# Altium PCB Gateway.PcbDoc
Units mm, origin at the board's own origin, x right, y up, seen from the top; angles counter-clockwise.
Board outline 98.93 x 75.82 mm, 2 copper layers (Top Layer, Bottom Layer); 101 components, 90 nets, 454 pads, 127 vias.
Unrouted connection lines stored in the file: 154.
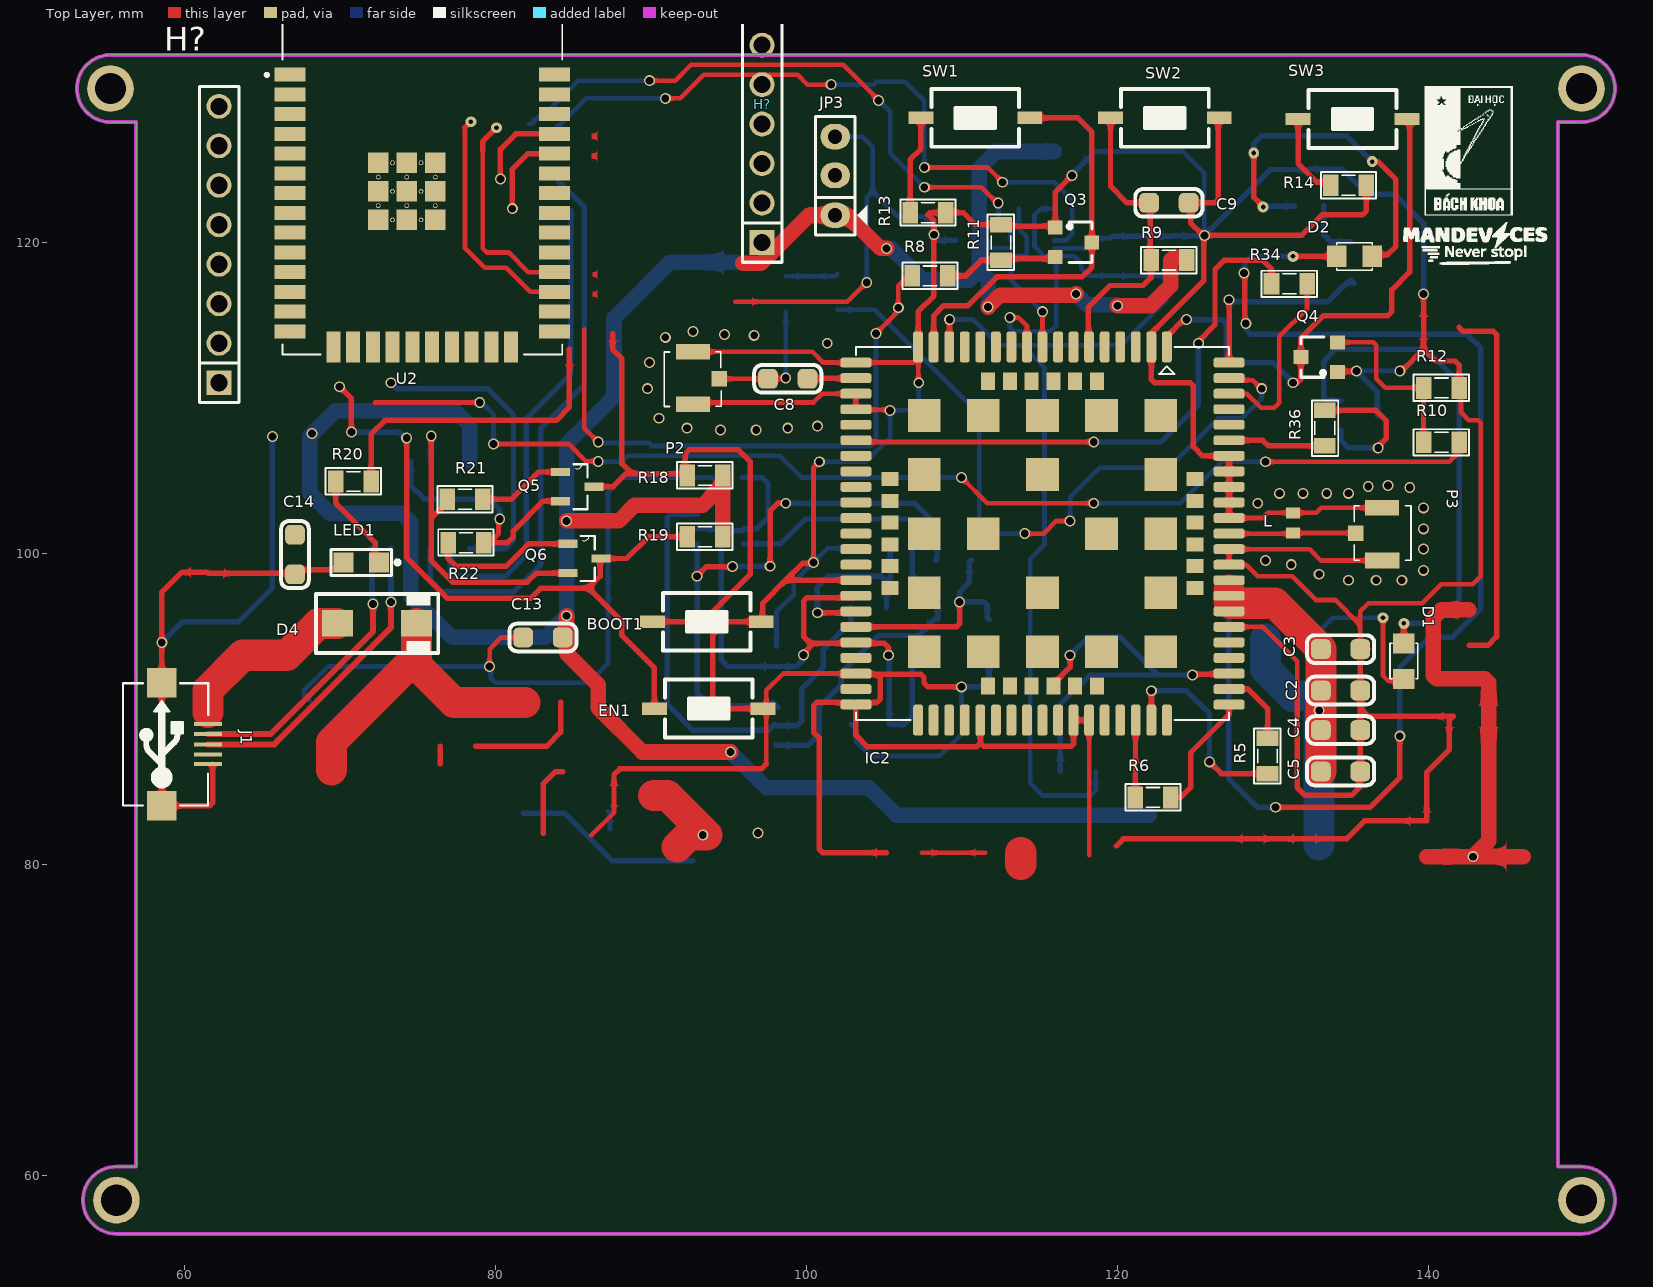
[diagram p0: Top Layer view]
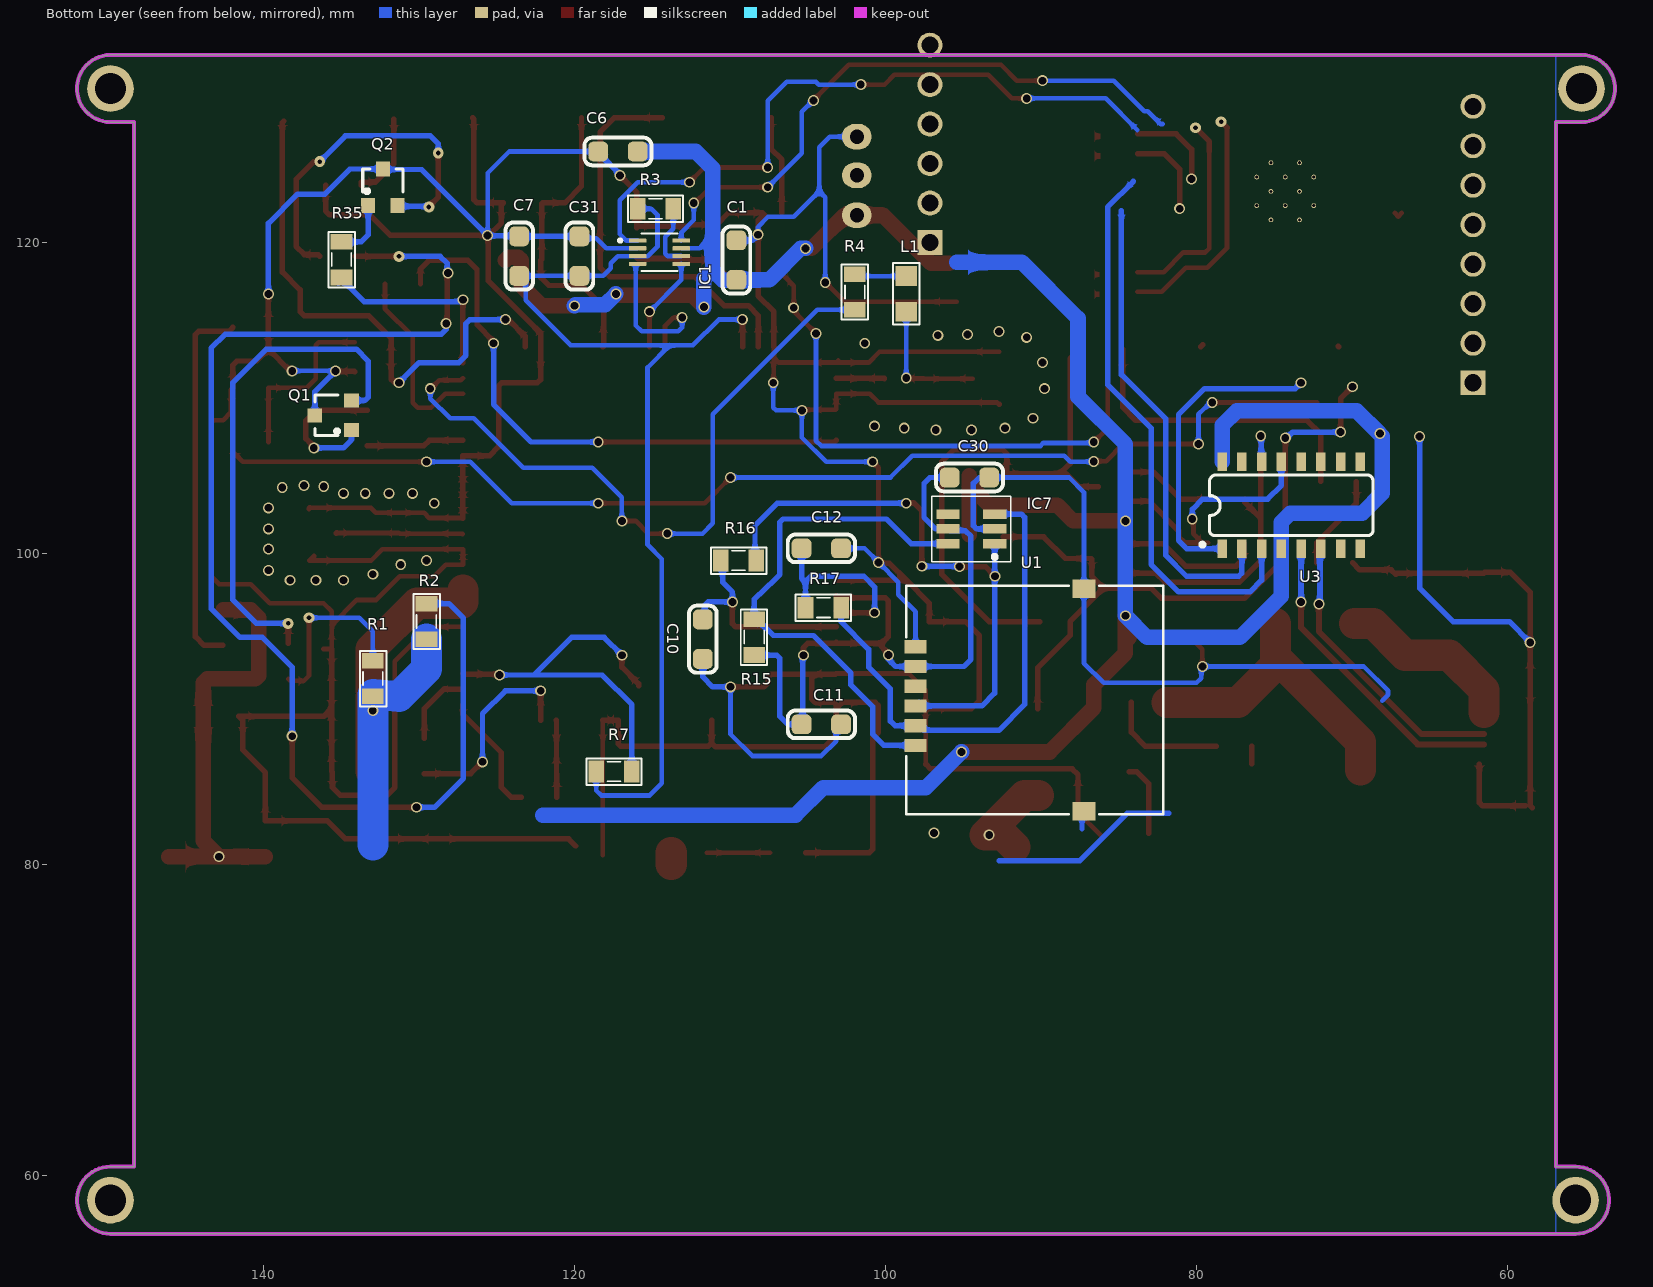
[diagram p1: Bottom Layer view, seen from below]

## Layer stack, top to bottom
Top Solder: solder mask 0.0102, Solder Resist, Dk 3.5
Top Layer: signal copper 0.0356
Dielectric 1: dielectric 0.32, FR-4, Dk 4.8
Bottom Layer: signal copper 0.0356
Bottom Solder: solder mask 0.0102, Solder Resist, Dk 3.5

## Board outline
55.626,56.261 cw(c55.626,58.42) 55.626,60.579 56.896,60.579 56.896,127.762 55.245,127.762 cw(c55.245,129.921) 55.245,132.08 149.86,132.08 cw(c149.86,129.921) 149.86,127.762 148.336,127.762 148.336,60.579 149.86,60.579 cw(c149.86,58.42) 149.86,56.261

## Design rules (kind name [scope] priority, off if disabled: settings)
Clearance [All] p1: gap=0.2 ignorepadtopadclearanceinfootprint=FALSE
DiffPairsRouting [All] p1: maxlimit=0.254 minlimit=0.254 mostfreqgap=0.254 toplayer_minwidth=0.381 toplayer_maxwidth=0.381 toplayer_prefwidth=0.381 bottomlayer_minwidth=0.381 bottomlayer_maxwidth=0.381 bottomlayer_prefwidth=0.381 maxuncoupledlength=12.7
PolygonConnect [All] p1: connectstyle=Direct reliefconductorwidth=0.254 reliefentries=4 polygonreliefangle="90 Angle" airgapwidth=0.254
RoutingVias [All] p1: holewidth=0.3 width=0.7 viastyle="Through Hole" minholewidth=0.3 minwidth=0.7 maxholewidth=0.3 maxwidth=0.7
SolderMaskExpansion [All] p1: expansion=0.102
Width [All] p1: maxlimit=2 minlimit=0.3 preferedwidth=0.35 minimp=50.000000 maximp=50.000000 favimp=50.000000
29 further rules are at their usual default settings.

## Classes and differential pairs
component class 3.4G: C1 C2 C3 C4 C5 C6 C7 C8 C9 C10 C11 C12 C30 C31 D1 D2 IC1 IC2 IC7 L L1 P2 P3 Q1 Q2 Q3 Q4 R1 R2 R3 R4 R5 R6 R7 R8 R9 R10 R11 R12 R13 R14 R15 R16 R17 R34 R35 R36 SW1 SW2 SW3 U1
component class 2.MCU: BOOT1 C13 C14 D4 EN1 H? J1 JP3 LED1 Q5 Q6 R18 R19 R20 R21 R22 U2 U3
component class 1.POWER: AMS1 AMS2 C15 C16 C17 C18 C19 C20 C21 C22 C23 C24 C25 C26 D3 D5 J2 J3 J4 J5 L2 PW1 PW2 R23 R24 R25 R26 R27 R28 R29 U4
differential pair D0: +D0_P -D0_N

## Components (designator, comment, footprint, x,y, rotation, side; value= is the part's Value field where it differs from the comment)
AMS1 "AMS1117-3.3V" SOT223 191.643,24.028 r0 top value="AMS1117-3.3V SOT223"
AMS2 "AMS1117-3.3V" SOT223 172.212,24.028 r0 top value="AMS1117-3.3V SOT223"
BOOT1 "SW" SW-SMD 93.599,95.631 r0 top value="SW chip 2 pin"
C1 "100nF" CAP_0805 109.601,118.887 r270 bottom value=33p
C2 "100nF" CAP_0805 134.366,91.201 r180 top value=33p
C3 "10uF" CAP_0805 134.366,93.868 r180 top value=33p
C4 "100nF" CAP_0805 134.366,88.661 r180 top value=33p
C5 "100uF" CAP_0805 134.366,85.994 r180 top value=33p
C6 "104" CAP_0805 117.221,125.872 r180 bottom value=33p
C7 "104" CAP_0805 123.571,119.141 r270 bottom value=33p
C8 "33pF" CAP_0805 98.806,111.252 r180 top value=33p
C9 "100nF" CAP_0805 123.317,122.57 r180 top value=33p
C10 "22pF" CAP_0805 111.76,94.503 r270 bottom value=33p
C11 "22pF" CAP_0805 104.14,89.027 r180 bottom value=33p
C12 "22pF" CAP_0805 104.14,100.345 r180 bottom value=33p
C13 "100nF" CAP_0805 83.058,94.615 r180 top value=33p
C14 "1uF" CAP_0805 67.112,99.949 r270 top value=33p
C15 "100nF" CAP_0603 118.872,33.807 r180 top value=10nF,0603
C16 "100uF/10V" CAP-ALU-SMD-C 45.085,27.457 r0 top
C17 "220uF/16V" CAP-ALU-SMD-D 98.679,5.486 r90 top value="Cap 470uF/63V"
C18 "100nF" CAP_0603 74.422,25.933 r180 top value=4.7uF,0603
C19 "100uF" CAP_0603 94.234,32.41 r90 top value=10uF,0603
C20 "100uF/10V" CAP-ALU-SMD-C 97.917,32.41 r90 top
C21 "33pF" CAP_0603 183.515,26.695 r90 top value=4.7uF,0603
C22 "100uF/10V" CAP-ALU-SMD-C 163.703,25.552 r0 top value="Cap 470uF/63V"
C23 "100uF/10V" CAP-ALU-SMD-C 154.559,25.552 r0 top value="Cap 470uF/63V"
C24 "100nF" CAP_0805 91.059,21.234 r0 top value=33p
C25 "22pF" CAP_0603 126.069,35.458 r270 top value=10uF
C26 "22pF" CAP_0603 129.371,35.458 r90 top value=10uF
C30 "104" CAP_0805 94.615,104.902 r180 bottom value=33p
C31 "10uF" CAP_0805 119.697,119.141 r270 bottom value=33p
D1 "NET" LED-0805-Blue 138.43,91.948 r90 top value="LED 3 ly Single Colour"
D2 "NET" LED-0805-Blue 134.112,119.126 r0 top value="LED 3 ly Single Colour"
D3 "M7" SMA 100.838,21.488 r270 top value=1N4007
D4 "M7" SMA 72.39,95.52 r0 top value=1N4007
D5 "Diode Zener" SMA 43.561,38.125 r90 top
EN1 "SW" SW-SMD 93.726,90.043 r0 top value="SW chip 2 pin"
H? "Header 8P 2.54 Duc Thang" JP8-D1T 62.23,110.998 r90 top
H? "Header 8P 2.54 Duc Thang" JP8-D1T 97.155,120.015 r90 top
IC1 "TXB0102DCUR" SOP50P310X90-8N 114.554,119.395 r180 bottom
IC2 "SIM A7672S" A7672S 115.19,101.296 r270 top
IC7 "TPD4E001" SOT23-6 94.488,101.6 r0 bottom
J1 "USB-5" USB-M1 61.515,87.744 r90 top
J2 "JP2" KF2-5.08 247.523,24.663 r0 top
J3 "Jumper 3" KF3-5.08 80.899,3.708 r0 top value=J3
J4 "JP2" KF2-5.08 229.489,24.663 r0 top
J5 "Jumper2" CON2 204.216,24.663 r0 top
JP3 "JP 1x3 2.54" JP3 101.854,124.311 r90 top
L "LXES15AAA1-153" INDC1005X45 131.318,101.981 r90 top
L1 "47nH" L-0805 98.679,116.713 r90 bottom value=220uH
L2 "22uH" L-SMD-M-7.3x4.5 210.82,14.503 r0 top value=220uH
LED1 "LED3" LED0805 71.374,99.441 r180 top
P2 "IPX" IPXS 93.983,111.259 r0 top
P3 "IPX" IPXS 135.763,101.296 r180 top
PW1 "3V8" LED-0805-Blue 197.104,27.33 r0 top value=Red
PW2 "3V3" LED-0805-Blue 177.927,25.298 r90 top value=Red
Q1 "3904" SOT23 135.541,108.9 r90 bottom
Q2 "3904" SOT23 132.334,123.571 r180 bottom
Q3 "2SC1815" SOT23 117.19,120.03 r270 top value=C1815
Q4 "2SC1815" SOT23 132.984,112.649 r90 top value=C1815
Q5 "BC817" SOT95P240X97-3N 85.268,104.318 r0 top
Q6 "BC817" SOT95P240X97-3N 85.725,99.695 r0 top
R1 "1K" RES-SMD-0805 132.984,91.964 r90 bottom
R2 "1K" RES-SMD-0805 129.54,95.647 r90 bottom
R3 "1K" RES-SMD-0805 114.808,122.189 r0 bottom
R4 "10R" RES-SMD-0805 101.981,116.84 r270 bottom
R5 "10k" RES-SMD-0805 129.667,86.995 r270 top
R6 "10k" RES-SMD-0805 122.301,84.328 r180 top
R7 "0R" RES-SMD-0805 117.475,85.994 r180 bottom
R8 "4k7" RES-SMD-0805 107.95,117.871 r180 top value="R1/4W - 1K"
R9 "10k" RES-SMD-0805 123.317,118.887 r0 top
R10 "4k7" RES-SMD-0805 140.843,107.169 r0 top value="R1/4W - 1K"
R11 "47k" RES-SMD-0805 112.522,120.03 r270 top value="R1/4W - 1K"
R12 "47k" RES-SMD-0805 140.843,110.666 r180 top value="R1/4W - 1K"
R13 "10k" RES-SMD-0805 107.823,121.935 r180 top value="R1/4W - 1K"
R14 "10k" RES-SMD-0805 134.874,123.698 r180 top value="R1/4W - 1K"
R15 "22R" RES-SMD-0805 108.458,94.63 r270 bottom
R16 "22R" RES-SMD-0805 109.459,99.568 r180 bottom
R17 "22R" RES-SMD-0805 104.013,96.535 r180 bottom
R18 "10k" RES-SMD-0805 93.472,105.029 r180 top
R19 "10k" RES-SMD-0805 93.472,101.092 r180 top
R20 "1k" RES-SMD-0805 70.866,104.648 r180 top
R21 "10k" RES-SMD-0805 78.048,103.505 r0 top
R22 "10k" RES-SMD-0805 78.105,100.711 r180 top
R23 "1K" RES-SMD-0805 68.58,23.901 r90 top value=1k
R24 "1K" RES-SMD-0805 103.886,31.648 r180 top value=1k
R25 "10K" RES-SMD-0603 109.982,35.712 r180 top value=10k
R26 "4k7R" RES-SMD-0603 109.982,31.775 r180 top value=3.3k
R27 "1k" RES-SMD-0603 83.82,22.25 r270 top
R28 "30k" RES-SMD-0805 74.168,22.123 r180 top
R29 "100k" RES-SMD-0805 71.755,16.662 r270 top
R34 "0R" RES-SMD-0805 131.064,117.363 r0 top
R35 "330R" RES-SMD-0805 135.001,118.91 r90 bottom
R36 "330R" RES-SMD-0805 133.35,108.077 r90 top
SW1 "SW" SW-SMD 110.871,128.031 r180 top value="SW chip 2 pin"
SW2 "SW" SW-SMD 123.063,128.031 r0 top value="SW chip 2 pin"
SW3 "SW" SW-SMD 135.128,127.96 r180 top value="SW chip 2 pin"
U1 "SIM-KF016" "SIM_MicroSIM 6P Flip" 92.664,90.589 r270 bottom value="Sim holder"
U2 "ESP32-WROOM-32" MODULE_ESP32-WROOM-32 75.302,125.55 r0 top
U3 "CH340C" SOP-16 73.914,103.124 r180 bottom
U4 "TPS5430" TPS5430-2 238.506,23.647 r90 top

## Footprints (in the part's own frame and the unit in brackets; to place one, negate y for a bottom-side part, rotate by r counter-clockwise, add the part's x,y. Pads: shape width x height; smd on the part's side, far side on the other; paste and mask are expansions set on the pad)
A7672S [mm] "SIMCOM A7672S"
  rrect50% 2x0.635 smd: 1(-12,8) 2(-12,7) 3(-12,6) 4(-12,5) 5(-12,4) 6(-12,3) 7(-12,2) 8(-12,1) 9(-12,0) 10(-12,-1) 11(-12,-2) 12(-12,-3) 13(-12,-4) 14(-12,-5) 15(-12,-6) 16(-12,-7) 17(-12,-8) 35(12,-8) 36(12,-7) 37(12,-6) 38(12,-5) 39(12,-4) 40(12,-3) 41(12,-2) 42(12,-1) 43(12,0) 44(12,1) 45(12,2) 46(12,3) 47(12,4) 48(12,5) 49(12,6) 50(12,7) 51(12,8)
  rrect50% 0.635x2 smd: 18(-8,-12) 19(-7,-12) 20(-6,-12) 21(-5,-12) 22(-4,-12) 23(-3,-12) 24(-2,-12) 25(-1,-12) 26(0,-12) 27(1,-12) 28(2,-12) 29(3,-12) 30(4,-12) 31(5,-12) 32(6,-12) 33(7,-12) 34(8,-12) 52(8,12) 53(7,12) 54(6,12) 55(5,12) 56(4,12) 57(3,12) 58(2,12) 59(1,12) 60(0,12) 61(-1,12) 62(-2,12) 63(-3,12) 64(-4,12) 65(-5,12) 66(-6,12) 67(-7,12) 68(-8,12) 89(-11,-12) 90(-10,-12) 91(-9,-12) 92(9,-12) 93(10,-12) 94(11,-12) 95(11,12) 96(10,12) 97(9,12) 98(-9,12) 99(-10,12) 100(-11,12)
  rect 2.1x2.1 smd: 69(-7.6,7.6) 70(-7.6,3.8) 71(-7.6,0) 72(-7.6,-3.8) 73(-7.6,-7.6) 74(-3.8,-7.6) 75(0,-7.6) 76(3.8,-7.6) 77(7.6,-7.6) 78(7.6,-3.8) 79(7.6,0) 80(7.6,3.8) 81(7.6,7.6) 82(3.8,7.6) 83(0,7.6) 84(-3.8,7.6) 85(-3.8,0) 86(0,-3.8) 87(3.8,0) 88(0,3.8)
  rect 1.1x0.9 smd: 101(-9.8,3.5) 102(-9.8,2.1) 103(-9.8,0.7) 104(-9.8,-0.7) 105(-9.8,-2.1) 106(-9.8,-3.5) 113(9.8,-3.5) 114(9.8,-2.1) 115(9.8,-0.7) 116(9.8,0.7) 117(9.8,2.1) 118(9.8,3.5)
  rect 0.9x1.1 smd: 107(-3.5,-9.8) 108(-2.1,-9.8) 109(-0.7,-9.8) 110(0.7,-9.8) 111(2.1,-9.8) 112(3.5,-9.8) 119(3.5,9.8) 120(2.1,9.8) 121(0.7,9.8) 122(-0.7,9.8) 123(-2.1,9.8) 124(-3.5,9.8)
  silkscreen extent -12,-12 12,12, body extent -12,-12 12,12, height 2.6
CAP-ALU-SMD-C [mm]
  rect 3x0.7 smd: 1(-2.286,0)
  oval 3x0.7 smd: 2(2.286,0)
  silkscreen extent -3.35,-2.65 3.28,2.65, body extent -2.95,-2.65 2.95,2.65, height 5.41
CAP-ALU-SMD-D [mm]
  rect 3x0.7 smd: 1(-2.794,0)
  oval 3x0.7 smd: 2(2.794,0)
  silkscreen extent -4,-3.3 3.93,3.3, body extent -3.5,-3.3 3.5,3.3, height 5.4
CAP_0603 [mm]
  rect 1x0.95 smd mask+0.076: 1(-0.94,0) 2(0.94,0)
  silkscreen extent -1.57,-0.58 1.57,0.58, body extent -0.77,-0.39 0.83,0.41, height 0.9
CAP_0805 [mm]
  rrect50% 1.27x1.27 smd: 1(-1.27,0) 2(1.27,0)
  silkscreen extent -2.16,-0.89 2.16,0.89, body extent -1.01,-0.64 1.01,0.64, height 0.61
CON2 [mil] "CON2"
  rect 75x90 hole 34: 1(0,0)
  oval 75x90 hole 34: 2(100,0)
  silkscreen extent -100,-150 200,140, body extent -68,-70 168,107, height 236
INDC1005X45 [mm]
  rect 0.7x0.9 smd: 1(-0.65,0) 2(0.65,0)
IPXS [mm] "SOT 23 _ 1-3-2"
  rect 1x1 smd: 1(0.415,-0.01)
  rect 2.2x1 smd: 2(-1.273,-1.658) 3(-1.278,1.73)
  silkscreen extent -3.13,-1.79 0.53,1.73, body extent -2.83,-1.49 0.31,1.56, height 1.55
JP3 [mil] "Jumper 3"
  oval 65x75 hole 36: 1(-100,0) 2(1,0) 3(99,0)
  silkscreen extent -150,-81 150,50, body extent -150,-60 150,55, height 355
JP8-D1T [mm] "8 pins, 1 row, straight, gold plating"
  rect 1.6x1.6 hole 1.1: 1(0,0)
  round 1.6 hole 1.1: 2(2.54,0) 3(5.08,0) 4(7.62,0) 5(10.16,0) 6(12.7,0) 7(15.24,0) 8(17.78,0)
  silkscreen extent -1.27,-1.27 19.05,1.27, body extent -1.27,-1.27 19.05,1.27, height 8.54
KF2-5.08 [mm]
  rect 2.5x2.5 hole 1.3: 1(-2.54,0) 2(2.54,0)
  silkscreen extent -4.95,-4.08 4.95,3.43, body extent -5,-4.07 5,3.43, height 10
KF3-5.08 [mm]
  rect 2.5x2.5 hole 1.3: 1(0,0) 2(5.08,0) 3(10.147,0)
  silkscreen extent -2.54,-3.58 12.7,4.06, body extent -2.42,-3.51 12.58,3.99, height 10
L-0805 [mil] "Compoment SMD 80x50mil"
  rect 50x55 smd: 1(-45,0) 2(45,0)
  silkscreen extent -77,-34 78,33, body extent -50,-20 50,20, height 43
L-SMD-M-7.3x4.5 [mm] "WE-PDA SMD Shielded Power Inductor, 7345"
  rect 1.7x2 smd: 1(0,3) 2(0,-3)
  silkscreen extent -3.65,-3.65 3.65,3.65, body extent -3.65,-3.65 3.65,3.65, height 4.05
LED0805 [mil] "Chip Resistor; Body 2.0 x 1.3 mm (LxW typ)"
  rect 50x50 smd: 1(-45,0) 2(45,0)
  silkscreen extent -97,-33 77,33, body extent -60,-25 60,25, height 47
LED-0805-Blue [mil]
  rect 50x55 smd: 1(0,0) 2(90,0)
  silkscreen extent 0,-35 90,35, body extent 5,-25 85,25, height 43
MODULE_ESP32-WROOM-32 [mm]
  rect 2x0.9 smd: 1(-8.5,5.26) 2(-8.5,3.99) 3(-8.5,2.72) 4(-8.5,1.45) 5(-8.5,0.18) 6(-8.5,-1.09) 7(-8.5,-2.36) 8(-8.5,-3.63) 9(-8.5,-4.9) 10(-8.5,-6.17) 11(-8.5,-7.44) 12(-8.5,-8.71) 13(-8.5,-9.98) 14(-8.5,-11.25) 25(8.5,-11.25) 26(8.5,-9.98) 27(8.5,-8.71) 28(8.5,-7.44) 29(8.5,-6.17) 30(8.5,-4.9) 31(8.5,-3.63) 32(8.5,-2.36) 33(8.5,-1.09) 34(8.5,0.18) 35(8.5,1.45) 36(8.5,2.72) 37(8.5,3.99) 38(8.5,5.26)
  rect 0.9x2 smd: 15(-5.715,-12.25) 16(-4.445,-12.25) 17(-3.175,-12.25) 18(-1.905,-12.25) 19(-0.635,-12.25) 20(0.635,-12.25) 21(1.905,-12.25) 22(3.175,-12.25) 23(4.445,-12.25) 24(5.715,-12.25)
  rect 1.33x1.33 smd: 39_1(-2.835,-0.405) 39_2(-1,-0.405) 39_3(0.835,-0.405) 39_4(-2.835,-2.24) 39_5(-1,-2.24) 39_6(0.835,-2.24) 39_7(-2.835,-4.075) 39_8(-1,-4.075) 39_9(0.835,-4.075)
  round 0.3 hole 0.2: 39_10(-1.917,-0.405) 39_11(-0.082,-0.405) 39_12(-2.835,-1.322) 39_13(-1,-1.322) 39_14(0.835,-1.322) 39_15(-1.917,-2.24) 39_16(-0.082,-2.24) 39_17(-2.835,-3.157) 39_18(-1,-3.157) 39_19(0.835,-3.157) 39_20(-1.917,-4.075) 39_21(-0.082,-4.075)
  silkscreen extent -10.1,-12.75 9,12.75, body extent -10.54,-12.75 8.98,12.75, height 3.2
RES-SMD-0603 [mm]
  rect 0.6x0.9 smd: 1(-0.889,0) 2(0.927,0)
  silkscreen extent -1.4,-0.64 1.4,0.64, body extent -0.8,-0.4 0.8,0.4, height 0.43
RES-SMD-0805 [mil]
  rect 39.37x55 smd: 1(-45,0) 2(45,0)
  silkscreen extent -70,-34 70,33, body extent -39,-25 39,25, height 31
"SIM_MicroSIM 6P Flip" [mm]
  rect 0.85x1.4 smd: 1(-2.16,-5.415) 2(0.38,-5.415) 3(2.92,-5.415) 5(-3.43,-5.415) 6(-0.89,-5.415) 7(1.65,-5.415)
  rect 1.2x1.5 smd: 8(-7.15,5.415) 8(7.15,5.415)
  Top Layer pour cut-out: 3.683,-2.79 -4.293,-2.79 -4.293,1.96 3.683,1.96
  Top Layer pour cut-out: 3.683,8.788 -4.293,8.788 -4.293,4.039 3.683,4.039
  silkscreen extent -7.35,-6.02 7.35,10.52, body extent -7.61,-5.89 7.59,10.41, height 1.7
SMA [mm]
  rect 2x1.7 smd: 1(-2.544,0) 2(2.544,0)
  silkscreen extent -3.94,-1.9 3.94,1.91, body extent -2.87,-1.4 2.87,1.4, height 2.29
SOP50P310X90-8N [mm]
  rrect25% 1.12x0.27 smd: 1(-1.405,0.75) 2(-1.405,0.25) 3(-1.405,-0.25) 4(-1.405,-0.75) 5(1.405,-0.75) 6(1.405,-0.25) 7(1.405,0.25) 8(1.405,0.75)
  silkscreen extent -2.62,-1.2 1.15,1.2
SOP-16 [mm]
  rect 0.6x1.2 smd: 1(-4.445,-2.8) 2(-3.175,-2.8) 3(-1.905,-2.8) 4(-0.635,-2.8) 5(0.635,-2.8) 6(1.905,-2.8) 7(3.175,-2.8) 8(4.445,-2.8) 9(4.445,2.8) 10(3.175,2.8) 11(1.905,2.8) 12(0.635,2.8) 13(-0.635,2.8) 14(-1.905,2.8) 15(-3.175,2.8) 16(-4.445,2.8)
  silkscreen extent -5.84,-2.67 5.26,1.95, body extent -4.95,-3.47 4.95,3.47, height 1.75
SOT23 [mm] "SOT-23; 3 Leads; Body 3.1 x 2.5 mm, inc. leads (LxW max), Alternate Lead Configuration"
  rect 0.9x0.95 smd: 1(-0.95,-1.175) 2(0,1.175) 3(0.95,-1.175)
  silkscreen extent -1.3,-0.38 1.3,1.18
SOT23-6 [mm] "SOT23, 5-Leads, Body 3.0x3.0mm (max), Pitch 0.95mm, IPC Medium Density"
  rect 1.5x0.6 smd: 1(-1.5,0.95) 2(-1.5,0) 3(-1.5,-0.95) 4(1.5,-0.95) 5(1.5,0) 6(1.5,0.95)
  silkscreen extent -2.54,-2.11 2.54,2.11, body extent -1.75,-1.52 1.75,1.53, height 1.45
SOT95P240X97-3N [mil]
  rect 48x21 smd: 1(-42,37) 2(-42,-37) 3(42,0)
  silkscreen extent -9,-57 26,57
SOT223 [mm] "SOT-223/SC-73; 4 Leads; Body 6.7 x 7.3 mm, inc. leads (LxW max)"
  rect 1.1x2.15 smd: 1(-2.3,-3.1) 2(0,-3.1) 3(2.3,-3.1)
  rect 3.5x2.15 smd: 4(0,3.1)
  silkscreen extent -3.35,-1.63 3.35,1.63, body extent -3.43,-1.65 3.43,1.65, height 2.54
SW-SMD [mm] "Switch SMD type"
  rect 1.6x0.8 smd: 1(-3.5,0) 2(3.5,0)
  silkscreen extent -2.82,-1.85 2.82,1.85, body extent -3.05,-1.85 3.05,1.85, height 2.5
TPS5430-2 [mm]
  rect 2.2x0.508 smd: 1(-2.875,1.905) 2(-2.875,0.635) 3(-2.875,-0.635) 4(-2.875,-1.905) 5(2.875,-1.905) 6(2.875,-0.635) 7(2.875,0.635) 8(2.875,1.905)
  rect 2.413x2.54 smd: 9(0,0.229) 9(0,-0.229)
  silkscreen extent -5.46,-2.54 4.44,2.54, body extent -3.33,-2.49 3.33,2.49, height 1.69
USB-M1 [mil]
  rect 10x70 smd: 1(51.18,0) 2(25.59,0) 3(0,0) 4(-25.59,0) 5(-50,0)
  rect 74.8x74.8 smd: 5(-155.51,116.84) 5(155.51,116.84)
  silkscreen extent -155,-1 155,215, body extent -157,5 158,218, height 107

## Part data
AMS1 AMS2: library part "AMS1117 SMD", "Dán", Chung_Loai=Dán, Don_Vi=Con, Ma_Hang=MH000596
BOOT1 EN1 SW1 SW2 SW3: library part SW2, "Switch button 2 pin"
C1: library part CapSMD_5, "Capacitor", LatestRevisionDate=17-Jul-2002, LatestRevisionNote="Re-released for DXP Platform.", PackageReference=RAD-0.3, Published=8-Jun-2000, Publisher="Altium Limited"
C2 C3 C4 C5 C6 C7: library part CapSMD_9, "Capacitor", LatestRevisionDate=17-Jul-2002, LatestRevisionNote="Re-released for DXP Platform.", PackageReference=RAD-0.3, Published=8-Jun-2000, Publisher="Altium Limited"
C8 C31: library part CapSMD_1, "Capacitor", LatestRevisionDate=17-Jul-2002, LatestRevisionNote="Re-released for DXP Platform.", PackageReference=RAD-0.3, Published=8-Jun-2000, Publisher="Altium Limited"
C9 C10 C11 C12 C13 C14 C24 C30: library part CapSMD, "Capacitor", LatestRevisionDate=17-Jul-2002, LatestRevisionNote="Re-released for DXP Platform.", PackageReference=RAD-0.3, Published=8-Jun-2000, Publisher="Altium Limited"
C15 C18 C19 C21: library part C, "4.7µF ±10% 35V Ceramic Capacitor X5R 0805 (2012 Metric)", Manufacturer="Samsung Electro-Mechanics", Package=0805, Part Number=CL21A475KLCLQNC, Category=CAPACITOR, User_Description="CAP CER 4.7UF 35V X5R 0805"
C16 C20: library part "Cap Pol", "Polarized Capacitor (Axial)", LatestRevisionDate=17-Jul-2002, LatestRevisionNote="Re-released for DXP Platform.", PackageReference=POLAR0.8, Published=8-Jun-2000, Publisher="Altium Limited"
C17 C22 C23: library part CP3, "Cap 470uF/63V"
C25 C26: library part C, "Cap SMD", Manufacturer="Samsung Electro-Mechanics", Package=0805, Part Number=CL21A106KPFNNNG, Category=CAPACITOR, User_Description="CAP CER 10UF 10V X5R 0805"
D1 D2: library part LED_2, "LED Single colour Green and Red"
D3 D4: library part D1A, "Diode 1A"
D5: "Zener Diode", LatestRevisionDate=17-Jul-2002, LatestRevisionNote="Re-released for DXP Platform.", PackageReference=DIODE-0.7, Published=8-Jun-2000, Publisher="Altium Limited"
H? H?: "C?m", Chung_Loai=C?m, Don_Vi=Con, Ma_Hang=MH003366, Ten_Linh_Kien="Header 8P XH2.54-8P Ð?c Th?ng"
IC1: "IC TRNSLTR BIDIRECTIONAL US8", Manufacturer="Texas Instruments", Package=8-VSSOP, Category="IC Logic Level", Part Number=TXB0102DCUR, User_Description="IC TRNSLTR BIDIRECTIONAL US8"
IC2: "SIM A7672S-CAT-M1", Part Number="SIM A7672S"
IC7: library part TPD4E001_1, Manufacturer="Texas Instruments", Package=SOT-363, Part Number=TPD4E001RDBVR, Category="Circuit Protection", User_Description="TVS DIODE 5.5VWM SC70-6"
J1: Manufacturer=FCI, Manufacturer Part Number=10118193-0001LF, Supplier Part Number 1=609-4616-1-ND, .Checked PCB=RF, .Checked SCH=MM, .Creator=MM, Category="Connectors, Interconnects", ComponentLink1Description=http://portal.fciconnect.com/Comergent//fci/drawing/10118193.pdf, ComponentLink1URL=http://portal.fciconnect.com/Comergent//fci/drawing/10118193.pdf, Connector Type="USB - micro B", Features="Shielded, Solder Retention", Gender=Receptacle, Ingress Protection=-, Mounting Type="Surface Mount, Right Angle, Horizontal", Number of Contacts=5, Packaging="Cut Tape (CT)", Pricing 1="1=0.46, 10=0.433, 25=0.3712, 50=0.3156, 100=0.3032, 250=0.27224, 500=0.25988 (USD)", RoHS="RoHS Compliant", Specifications="USB 2.0", Stock 1=28642, Supplier 1=Digi-Key
J2 J4: "WR-PHD 2.54 mm Angled Socket Header", Manufacturer="W¨¹rth Elektronik eiSos GmbH", partNo=613002143121, ComponentLink1 Description=Manufacturer, ComponentLink1URL=http://www.we-online.com, ComponentLink2 Description=Datasheet, ComponentLink2URL=http://katalog.we-online.de/em/datasheet/6130xx143121.pdf, Created by="Karrer Zheng", Created Date="29 March 2013", NoPins=02
J3: library part JP3
J5: library part JP2, "WR-PHD 2.54 mm Angled Socket Header", Manufacturer="W¨¹rth Elektronik eiSos GmbH", partNo=613002143121, ComponentLink1 Description=Manufacturer, ComponentLink1URL=http://www.we-online.com, ComponentLink2 Description=Datasheet, ComponentLink2URL=http://katalog.we-online.de/em/datasheet/6130xx143121.pdf, Created by="Karrer Zheng", Created Date="29 March 2013", NoPins=02
JP3: library part "JP 1x3 2.54 Cai Thang", "C?m", Chung_Loai=C?m, Don_Vi=Con, Ma_Hang=MH004006, Ten_Linh_Kien="Jump Ðon Cái 2.54MM 1x20P Th?ng"
L: "Clamp Ipp Tvs Diode Surface Mount 1005", Package="0402 Murata", Digi-Key_Part_Number=490-13210-1-ND, Digi-Key_Purchase_URL=https://www.digikey.kr/product-detail/en/murata-electronics/LXES15AAA1-153/490-13210-1-ND/5843764?utm_source=snapeda&utm_medium=aggregator&utm_campaign=symbol, MF=Murata, MP=LXES15AAA1-153, SnapEDA_Link=https://www.snapeda.com/parts/LXES15AAA1-153/Murata%20Electronics%20North%20America/view-part/653473/?ref=snap
L1 L2: library part L1, "22µH Shielded Inductor 1.65A 96mOhm Max Nonstandard", Manufacturer="Bourns Inc.", Package=SMD, Part Number=SRR0745A-220M, Category=INDUCTORS, User_Description="FIXED IND 22UH 1.65A 96 MOHM SMD"
LED1: library part LED0805, "LED SMD 0805"
P2 P3: library part IPXSx66, "Antenna GSM GPS", Manufacturer="TE Connectivity AMP Connectors", Package=SMD, Part Number=2334884-1, Category=Connectors, User_Description="UMCC MICRO-COAX RECEPTACLE, GEN"
PW1 PW2: library part LED, "LED RED DIFFUSED 0805 SMD", Manufacturer="OSRAM Opto Semiconductors Inc.", Package=0805, Part Number="LS R976-NR-1", Category="LED SMD", User_Description="LED RED DIFFUSED 0805 SMD"
Q1 Q2: library part MMBT3904
Q3 Q4: "NPN 600mW, ECB", =C828
Q5 Q6: "Bipolar (BJT) Transistor NPN 45V 500mA 100MHz 250mW Surface Mount TO-236AB", Package="SOT-23-3 Rectron", Availability="In Stock", Check_prices=https://www.snapeda.com/parts/BC817/Rectron/view-part/?ref=eda, MF=Rectron, MP=BC817, Price=None, Purchase-URL=https://pricing.snapeda.com/search/part/BC817/?ref=eda, SnapEDA_Link=https://www.snapeda.com/parts/BC817/Rectron/view-part/?ref=snap
R1 R2 R3 R35 R36: library part "Resistor - SMD", "Resistor", Manufacturer="Generic Components", Class=Passive, Published=08/06/2000, Publisher="Altium Hobart Technology Centre"
R4 R5 R6 R7 R9 R15 R16 R17 R18 R19 R20 R21 R22 R28 R29 R34: library part "Resistor - SMD", "Resistor SMD", Manufacturer="Generic Components", Class=Passive, Published=08/06/2000, Publisher="Altium Hobart Technology Centre"
R8 R10 R11 R12 R13 R14: library part R, "Resistor 1/4W"
R23 R24 R27: library part R, "Resistor 1/4W", Manufacturer=Yageo, Package=0805, Part Number=RC0805FR-071KL, Category=RESISTORS, User_Description="RES SMD 1K OHM 1% 1/8W 0805"
R25: library part R, "RES SMD 10K OHM 1% 1/8W 0805", Manufacturer=Yageo, Package=0805, Part Number=RC0805FR-0710KL, Category=RESISTORS, User_Description="RES SMD 10K OHM 1% 1/8W 0805"
R26: library part R, "RES SMD 3.3K OHM 1% 1/8W 0805", Manufacturer=Yageo, Package=0805, Part Number=RC0805FR-073K3L, Category=RESISTORS, User_Description="RES SMD 3.3K OHM 1% 1/8W 0805"
U1: library part "Sim holder", "SIM Card Holder KF-016"